# KiCad board CawDrive_panel.kicad_pcb (continued)
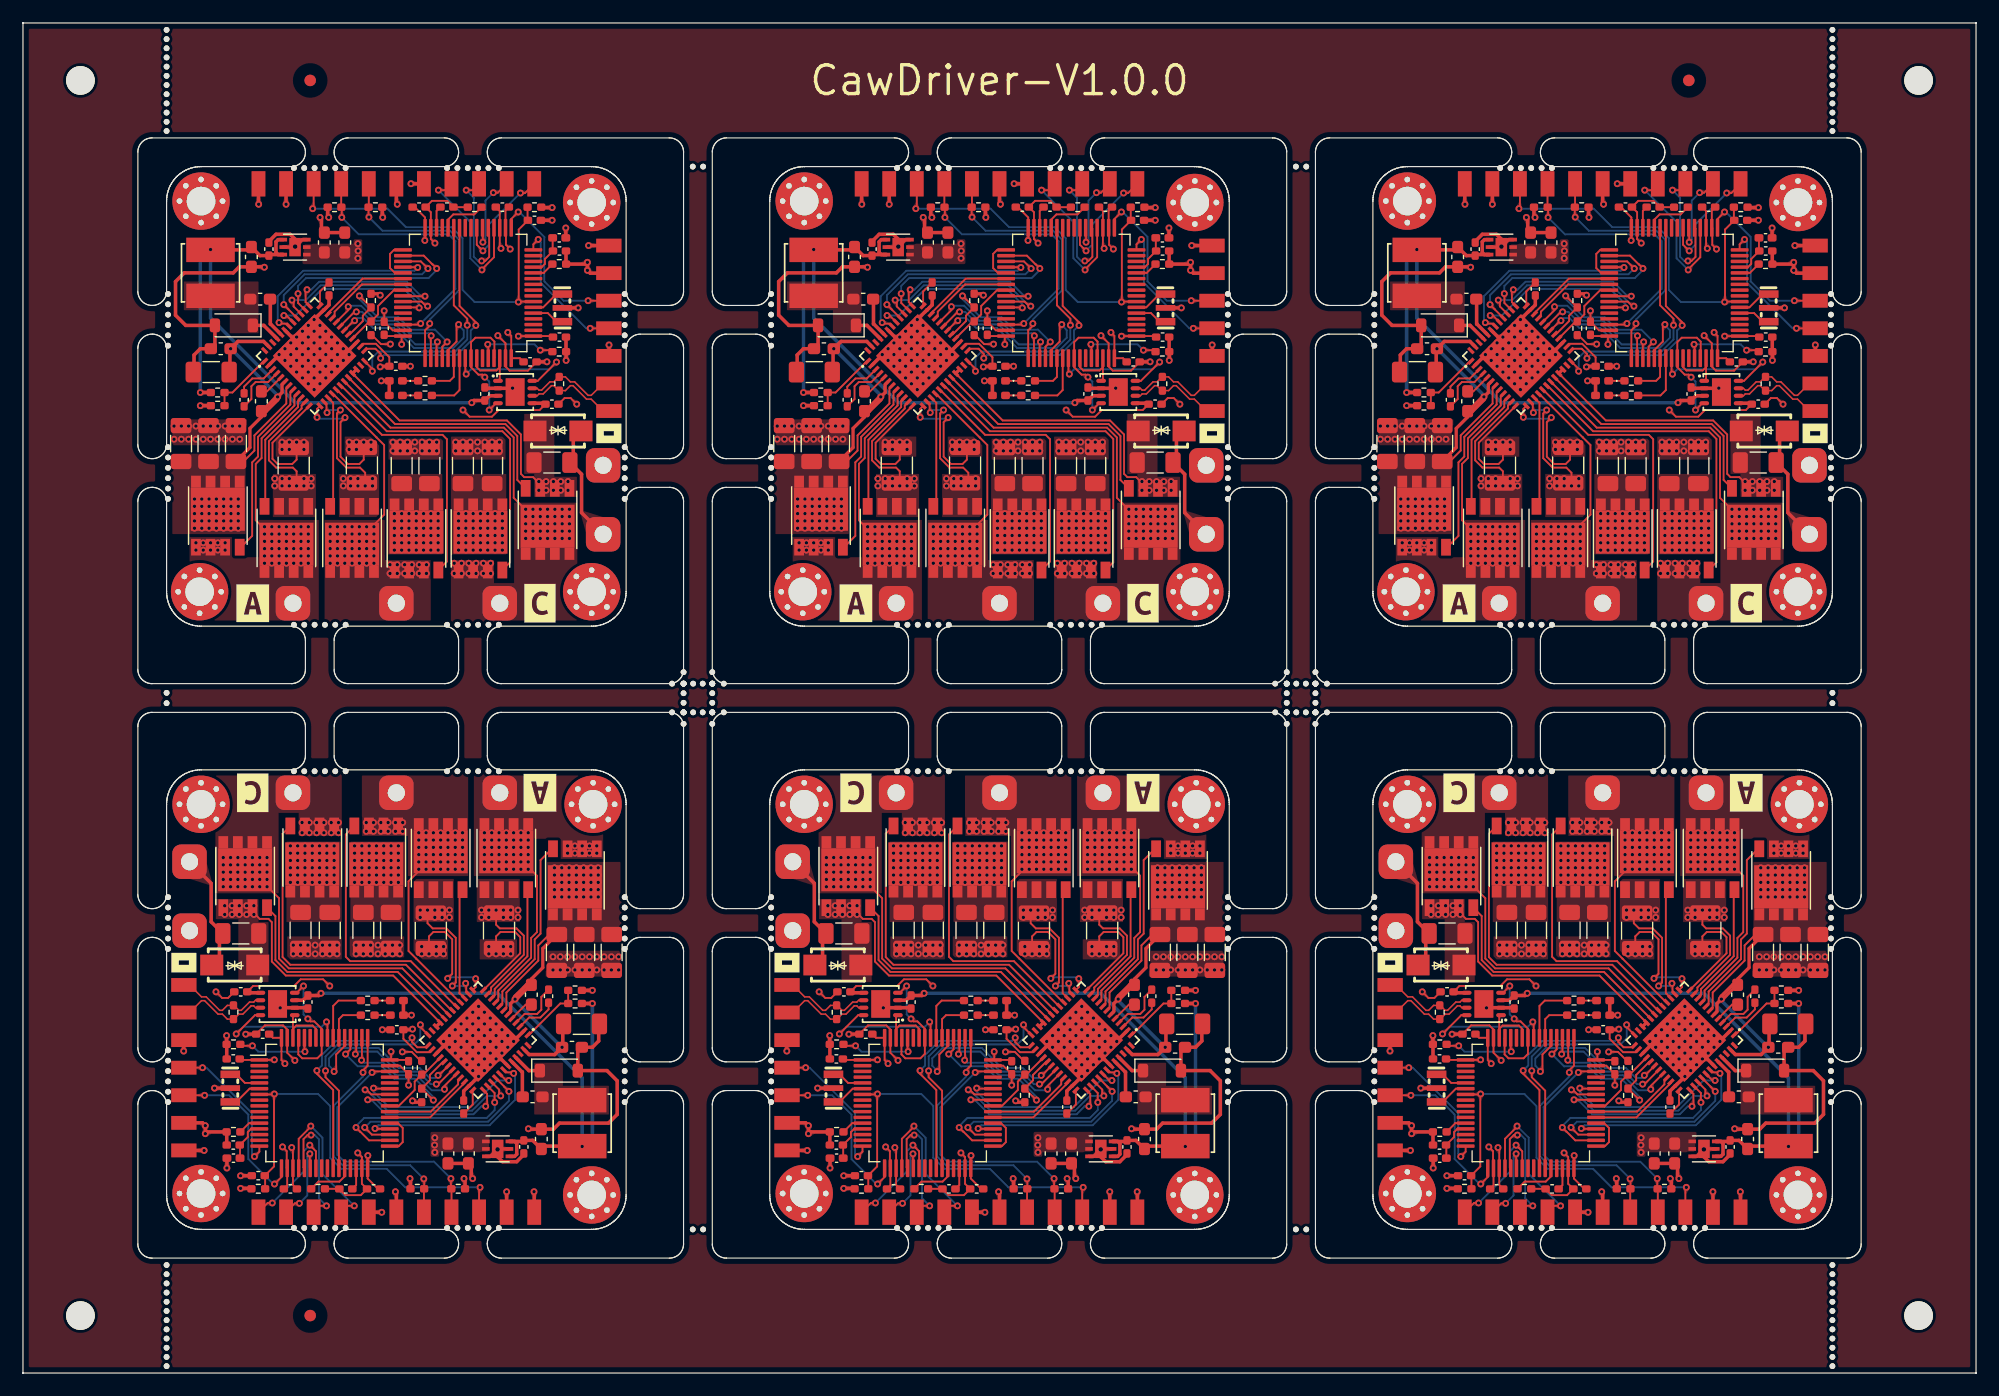
[diagram p0: board, top side]
## Routing (per net, layer and track width the routed paths; a pad name or vN(x,y) marks a point on that pad's centre or on a via; arc(x,y) is an arc through that point) (continued)
Board_5-/SPI1_MOSI: length 10.1
  Top w0.16: J1.11 126.3,14.8 v1(126.7,14.8) ; U1#5.23 130.5,19.3 130.19,19.61 130.18,19.61 v1(129.96,19.83)
  Bottom w0.16: v1(126.7,14.8) 129.44,17.54 129.44,19.3 v1(129.96,19.83)
Board_5-/SPI1_NSS: length 14
  Top w0.16: v1(130.05,21.49) 130.05,21.44 129,20.38 U1#5.20 ; v1(133.84,14.55) 133.25,14.55 J1.8
  Bottom w0.16: v1(133.84,14.55) 131.07,17.32 131.07,20.48 v1(130.05,21.49)
Board_5-/SPI1_SCK: length 11.6
  Top w0.16: v1(130.08,20.71) 129.77,20.71 129.42,20.36 129.42,17.91 U1#5.21 ; J1.9 130.85,14.55 v1(131.42,14.55)
  Bottom w0.16: v1(130.08,20.71) 130.4,20.71 130.76,20.35 130.76,15.21 v1(131.42,14.55)
Board_5-/SPI3_MISO: length 15.7
  Top w0.16: v1(133.08,27.76) 133.5,28.18 U1#5.52 ; U5#4.29 141.57,27.1 140.42,25.95 140.42,25.47 R16.2 140.71,23.75 v1(140.72,23.75)
  Bottom w0.16: v1(133.08,27.76) 134.14,26.69 136.24,26.69 137.32,25.61 139.14,25.61 140.72,24.03 v1(140.72,23.75)
Board_5-/SPI3_MOSI: length 16.9
  Top w0.16: v1(141.13,25.9) 141.19,25.9 U5#4.30 ; v1(132.08,26.24) 132.26,26.42 132.26,27.73 133,28.47 U1#5.53
  Bottom w0.16: v1(141.13,25.9) 140.91,25.69 140.39,25.69 139.52,26.55 137.71,26.55 135.97,28.29 132.55,28.29 131.64,27.38 131.64,26.75 132.08,26.31 v1(132.08,26.24)
Board_5-/SPI3_NSS: length 12.1
  Top w0.16: v1(134.47,27.22) 134.5,27.26 U1#5.50 ; U5#4.32 141.69,24.99 v1(141.69,24.69)
  Bottom w0.16: v1(141.69,24.69) 141.61,24.61 140.58,24.61 139.27,25.92 137.45,25.92 136.37,27 134.69,27 v1(134.47,27.22)
Board_5-/SPI3_SCK: length 11.7
  Top w0.16: U5#4.31 142.38,26.38 141.14,25.14 v1(140.98,25.14) ; U1#5.51 134,27.83 v1(133.93,27.76)
  Bottom w0.16: v1(140.98,25.14) 140.49,25.14 139.4,26.23 137.58,26.23 135.84,27.98 134.15,27.98 v1(133.93,27.76)
Board_5-/SWCLK: length 23.1
  Top w0.16: v1(134.6,26.16) 134.6,26.35 135,26.75 U1#5.49 ; v1(139.89,16.9) 139.92,16.87 R6#3.1 139.9,16.01 J1.5
  Bottom w0.16: v1(134.6,26.16) 134.6,25.81 132.05,23.27 132.05,18.86 132.83,18.08 138.71,18.08 v1(139.89,16.9)
Board_5-/SWDIO: length 23.7
  Top w0.16: v1(135.39,26.16) 135.48,26.25 U1#5.46 ; J1.4 142.3,16.02 R5#5.1 142.25,16.07 v1(142.25,16.92)
  Bottom w0.16: v1(135.39,26.16) 132.36,23.14 132.36,18.99 132.96,18.39 140.78,18.39 v1(142.25,16.92)
Board_5-/TIM1_BKIN: length 3.8
  Top w0.16: U1#5.33 137.71,19.75 138.05,20.1 138.05,21.33 137.63,21.75 U1#5.37
Board_5-/TIM1_PWM_CH1: length 14.6
  Top w0.16: U1#5.41 136.22,23.75 136.19,23.78 v1(135.01,23.78) ; v1(145.28,23.21) 145.4,23.34 145.4,24.3 U5#4.37
  Bottom w0.16: v1(135.01,23.78) 135.34,23.78 136.6,22.52 144.22,22.52 144.91,23.21 v1(145.28,23.21)
Board_5-/TIM1_PWM_CH1N: length 18.5
  Top w0.16: v1(146.06,23.56) 146.05,23.56 146.05,24.37 145.45,24.97 U5#4.38 ; U1#5.34 135.12,20.25 134.36,21.01 134.35,21.01 v1(133.99,21.37)
  Bottom w0.16: v1(146.06,23.56) 146.06,22.89 145.38,22.21 134.7,22.21 133.99,21.49 v1(133.99,21.37)
Board_5-/TIM1_PWM_CH2: length 16.9
  Top w0.16: U1#5.42 135.31,24.25 134.91,24.65 v1(134.78,24.65) ; v1(146.58,24.12) 146.44,24.27 146.44,24.67 U5#4.39
  Bottom w0.16: v1(134.78,24.65) 134.91,24.65 136.72,22.83 144.09,22.83 145.38,24.12 v1(146.58,24.12)
Board_5-/TIM1_PWM_CH2N: length 18.4
  Top w0.16: U5#4.40 146.89,24.93 146.89,24.92 v1(147.3,24.51) ; v1(134.75,21.37) 135.37,20.75 U1#5.35
  Bottom w0.16: v1(147.3,24.51) 147.3,23.69 145.49,21.88 135.26,21.88 134.76,21.37 v1(134.75,21.37)
Board_5-/TIM1_PWM_CH3: length 16.1
  Top w0.16: U1#5.43 135.56,24.75 v1(135.51,24.8) ; U5#4.41 147.07,25.46 v1(147.29,25.46)
  Bottom w0.16: v1(147.29,25.46) 146.27,25.46 143.96,23.14 136.85,23.14 135.51,24.48 v1(135.51,24.8)
Board_5-/TIM1_PWM_CH3N: length 17.9
  Top w0.16: v1(135.64,21.28) 135.85,21.28 135.88,21.25 U1#5.36 ; U5#4.42 147.06,26.17 147.62,26.17 v1(147.71,26.08)
  Bottom w0.16: v1(147.71,26.08) 147.84,25.96 147.84,23.78 145.62,21.56 135.92,21.56 v1(135.64,21.28)
Board_5-/USART2_RX: length 15
  Top w0.16: J4#6.3 120.81,24.17 v1(120.81,24.17) ; U1#5.17 127.5,17.06 v1(126.89,16.45)
  Bottom w0.16: v1(120.81,24.17) 122.94,24.17 124.62,22.49 124.62,18.62 126.79,16.45 v1(126.89,16.45)
Board_5-/USART2_TX: length 12.5
  Top w0.16: v1(120.63,26.57) J4#6.4 ; v1(125.15,18.84) 125.57,19.27 U1#5.16
  Bottom w0.16: v1(120.63,26.57) 120.98,26.57 124.93,22.62 124.93,19.06 v1(125.15,18.84)
Board_5-GND: length 125.8
  Top w0.16: U5#4.12 148.28,36.53 148.28,37.94 147.83,38.39 146.56,38.39 146.18,38 146.18,37.22 R18#2.2 ; v1(141.97,34.34) 142.36,34.74 142.36,37.75 141.72,38.39 140.72,38.39 140.34,38 140.34,37.11 R19#5.2 ; v1(121.8,33.18) 122.33,32.65 122.86,32.65 C9#6.1 ; v1(144.4,34.32) 144.4,33.58 U5#4.13 ; v1(125.1,40.67) 125.1,40.03 125.6,39.53 126.37,39.53 126.66,39.24 126.66,35.81 127.88,34.6 137.22,34.6 U5#4.21 ; v1(128.67,27.21) 128,27.88 U1#5.63 128,29.9 127.64,30.26 126.06,30.26 C6#2.2 ; v1(134.14,19.16) 134.5,18.8 U1#5.31 134.5,16.47 C4#4.2 134.4,15.48 133.08,15.48 C1#3.2 132.52,16.03 R3#6.2 ; v1(127.59,19.68) 127.96,19.31 127.96,17.87 U1#5.18 128,16.32 C3#2.2 ; U1#5.47 137.82,26.75 C5#4.2 v1(138.56,25.05)
  Top w0.279: U5#4.22 U5#4.21 ; C32#6.2 v1(136.28,29.88)
  Top w0.305: v1(118.99,28.02) 118.99,28.96 J4#6.5 ; v1(136.23,13.99) 136.22,14 J1.7 ; U5#4.43 146.6,27.34 v1(146.18,27.34) ; v1(123.94,17.17) 124.91,17.17 C14#5.2 ; v1(147.1,15.78) J1.2 ; U2#4.3 145.7,18.86 v2(146.31,19.46) ; v1(127.39,31.78) 127.4,31.8 U3.2 129.72,31.8 C12.1 ; C6#2.2 124.4,29.5 v1(124.39,29.49) ; R14#3.2 v1(154.56,33.31) ; v1(122.72,29.37) R1#6.1 122.73,28.6 C2#2.2 ; v1(141.61,28.86) 141.61,28.45 U5#4.27 ; U2#4.5 U2#4.7 146.32,18.82 146.74,18.39 147.97,18.39 148.59,19.01 C7#4.2 ; C35#2.2 C34#4.2 144.02,17.99 144.02,17.04 v1(144.14,16.92) ; v1(144.66,25.81) 143.82,24.97 U5#4.35 143.36,24.54 C31#6.2 ; v1(148.99,21.26) 149.03,21.22 C16#2.2 151.17,21.22 151.7,21.75 155.96,21.75 156.72,22.51 156.72,25.43 155.83,26.32 D3#3.2 153.29,28 C33#6.2 154.56,28.35 155.11,28.9 155.11,30.38 ; U5#4.49 v1(144.66,28.86) ; v1(147.71,28.86) 147.71,28.89 U5#4.2 ; C8#6.2 122.73,20.98 R2#3.2 121.03,20.99 v1(120.87,20.83) v1(120.87,21.53) 120.63,21.77 J4#6.2 ; R6#3.2 138.73,16.88 v1(138.69,16.92) ; v1(121.67,24.8) 123.19,24.8
  In2.Cu w0.813: 149.5,32.5 149.5,36
  Bottom w0.16: v1(144.4,34.32) 144.28,34.45 142.07,34.45 v1(141.97,34.34)
  vias: v1(122.56,40.67) v1(122.56,39.91) v1(123.19,40.67) v1(123.19,39.91) v1(123.83,40.67) v1(123.83,39.91) v1(124.47,40.67) v1(124.47,39.91) v1(125.1,39.91) v1(128.53,37.24) v1(128.53,36.48) v1(129.16,37.24) v1(129.16,36.48) v1(129.8,37.24) v1(129.8,36.48) v1(130.43,37.24) v1(130.43,36.48) v1(131.07,37.24) v1(131.07,36.48) v1(131.7,37.24) v1(131.7,36.48) v1(132.34,37.24) v1(132.34,36.48) v1(133.99,37.24) v1(133.99,36.48) v1(134.62,37.24) v1(134.62,36.48) v1(135.26,37.24) v1(135.26,36.48) v1(135.9,37.24) v1(135.9,36.48) v1(136.53,37.24) v1(136.53,36.48) v1(137.16,37.24) v1(137.16,36.48) v1(137.8,37.24) v1(137.8,36.48) v1(139.71,37.11) v1(139.71,36.48) v1(140.34,36.48) v1(140.97,37.11) v1(140.97,36.48) v1(141.61,37.11) v1(141.61,36.48) v1(142.12,29.37) v1(142.12,28.35) v1(142.63,29.88) v1(142.63,28.86) v1(142.63,27.84) v1(143.13,30.38) v1(143.13,29.37) v1(143.13,28.35) v1(143.13,27.34) v1(143.64,30.89) v1(143.64,29.88) v1(143.64,28.86) v1(143.64,27.84) v1(143.64,26.83) v1(144.15,31.4) v1(144.15,30.38) v1(144.15,29.37) v1(144.15,28.35) v1(144.15,27.34) v1(144.15,26.32) v1(144.66,31.91) v1(144.66,30.89) v1(144.66,29.88) v1(144.66,27.84) v1(144.66,26.83) v1(145.17,31.4) v1(145.17,30.38) v1(145.17,29.37) v1(145.17,28.35) v1(145.17,27.34) v1(145.17,26.32) v1(145.55,37.11) v1(145.55,36.48) v1(145.67,30.89) v1(145.67,29.88) v1(145.67,28.86) v1(145.67,27.84) v1(145.67,26.83) v1(146.18,36.48) v1(146.18,30.38) v1(146.18,29.37) v1(146.18,28.35) v1(146.69,29.88) v1(146.69,28.86) v1(146.69,27.84) v1(146.82,37.11) v1(146.82,36.48) v1(147.2,29.37) v1(147.2,28.35) v1(147.45,37.11) v1(147.45,36.48) v1(151.13,36.23) v1(151.13,35.08) v1(151.77,36.23) v1(151.77,35.08) v1(152.41,36.23) v1(152.41,35.08) v1(153.04,36.23) v1(153.04,35.08) v1(153.68,36.23) v1(153.68,35.08) v1(154.31,36.23) v1(154.31,35.08) v1(154.94,36.23) v1(154.94,35.08) v1(155.58,36.23) v1(155.58,35.08) v1(156.22,36.23) v1(156.22,35.08) v1(156.85,36.23) v1(156.85,35.08)
Board_5-Net-(D1-K): length 1.4
  Top w0.16: D1#6.1 R9#4.1
Board_5-Net-(D2-K): length 1.4
  Top w0.16: D2#6.1 R11#4.1
Board_5-Net-(U1-BOOT0): length 7.1
  Top w0.16: v1(129.54,27.97) 129.5,28.02 U1#5.60 ; v1(124.97,28.48) 124.05,28.48 R1#6.2
  Bottom w0.16: v1(129.54,27.97) 125.48,27.97 v1(124.97,28.48)
Board_5-Net-(U1-PB2): length 4.1
  Top w0.16: U1#5.28 133,17.12 132.54,16.66 130.72,16.66 R3#6.1
Board_5-Net-(U1-VCAP_1): length 1.9
  Top w0.16: U1#5.30 134,16.35 C1#3.1
Board_5-Net-(U1-VSSA): length 2
  Top w0.16: R2#3.1 124.68,21.75 U1#5.12
Board_5-Net-(U5-CPH): length 4.7
  Top w0.16: U5#4.4 148.65,31.25 149.75,31.25 150.12,31.62 150.12,32.73 C27#6.2
Board_5-Net-(U5-CPL): length 3.7
  Top w0.16: C27#6.1 150.75,31.65 150.04,30.94 149.05,30.94 U5#4.3
Board_5-Net-(U5-DVDD): length 2.4
  Top w0.16: C31#6.1 144.15,23.37 U5#4.36
Board_5-Net-(U5-VCP): length 2.2
  Top w0.16: C28#3.2 148.76,32.06 U5#4.5

## Copper pours and planes (outline as drawn; the poured copper is in the pictures)
(no net) on Top: 0,117.48 0,0.02 0.02,0 169.98,0 170,0.02 170,117.48 169.98,117.5 0.02,117.5 ; 6 cut-outs
(no net) on Bottom: 0,117.48 0,0.02 0.02,0 169.98,0 170,0.02 170,117.48 169.98,117.5 0.02,117.5 ; 6 cut-outs
Board_0-+3.3V on Top: 24.33,98.29 28.77,98.29 28.77,98.67 29.53,98.67 29.53,96.51 24.33,96.51
Board_0-+3.3V on In1.Cu: 12.5,105 52.5,105 52.5,83.5 51,83.5 51,87.5 43.5,87.5 43.5,83.5 12.5,83.5
Board_0-+36V on Top: 31.75,78.25 36.5,78.25 36.5,71.25 31.75,71.25
Board_0-+36V on Top: 12.75,80.01 19.38,80.01 19.38,73.02 12.75,73.02
Board_0-+36V on Top: 37.25,78.25 42.25,78.25 42.25,71.25 37.25,71.25
Board_0-+36V on Bottom: 12.5,78.5 21,78.5 21,75.75 52.5,75.75 52.5,65 12.5,65
Board_0-+36V on In2.Cu: 52.5,75.5 52.5,65 12.5,65 12.5,80 19.5,80 21,75.5
Board_0-/DRV8323RSRGZR/PHASA on Top: 14.5,72.75 18.25,72.75 18.25,71 20.5,71 20.5,74.25 25.75,74.25 25.75,65 14.5,65
Board_0-/DRV8323RSRGZR/PHASA on In1.Cu: 14.5,72.75 20.5,72.75 20.5,74.25 25.75,74.25 25.75,65 14.5,65
Board_0-/DRV8323RSRGZR/PHASB on Top: 26.25,74.25 26.25,65 35.5,65 35.5,70.75 31.5,70.75 31.5,74.25
Board_0-/DRV8323RSRGZR/PHASB on In1.Cu: 26.25,74.25 26.25,65 35.5,65 35.5,70.75 31.5,70.75 31.5,74.25
Board_0-/DRV8323RSRGZR/PHASC on Top: 37.25,70.75 41,70.75 41,68.75 42.75,68.75 42.75,75.75 48.25,75.75 48.25,65 37.25,65
Board_0-/DRV8323RSRGZR/PHASC on In1.Cu: 37.25,70.75 37.25,65 48.25,65 48.25,75.75 42.75,75.75 42.75,68.75 41,68.75 41,70.75
Board_0-/DRV8323RSRGZR/SPA on Top: 21.75,78.25 25.5,78.25 25.5,74.5 21.75,74.5
Board_0-/DRV8323RSRGZR/SPA on Bottom: 21.5,78.5 26,78.5 26,76.25 21.5,76.25
Board_0-/DRV8323RSRGZR/SPB on Top: 27.5,78.25 31,78.25 31,74.5 27.5,74.5
Board_0-/DRV8323RSRGZR/SPB on Bottom: 27,78.5 27,76.25 31.25,76.25 31.25,78.5
Board_0-/DRV8323RSRGZR/SW on Top: 14,95 20.5,95 20.5,90.5 18,90.5 18,92.5 14,92.5
Board_0-GND on Top: 31.82,81.5 36.57,81.5 36.57,79.5 31.82,79.5
Board_0-GND on Top: 28,81.5 31,81.5 31,79.75 28,79.75
Board_0-GND on Top: 22,81.5 25.25,81.5 25.25,79.75 22,79.75
Board_0-GND on Top: 37.25,81.5 42,81.5 42,79.5 37.25,79.5
Board_0-GND on Top: 43.63,78.25 44.5,78.25 44.5,76.25 48.25,76.25 48.25,78 46.25,78 46.25,83.5 43.63,83.5
Board_0-GND on Top: 12.5,83 19.5,83 19.5,80.75 12.5,80.75
Board_0-GND on Bottom: 12.5,82.75 52.5,82.75 52.5,76 32,76 32,79 12.5,79
Board_0-GND on Bottom: 20.77,88.64 25.34,84.07 29.91,88.64 25.34,93.21
Board_0-GND on In1.Cu: 43.75,83.5 43.75,87.25 50.75,87.25 50.75,83.5
Board_0-GND on In1.Cu: 12.5,82.75 52.5,82.75 52.5,76 12.5,76
Board_0-GND on In2.Cu: 12.5,105 52.5,105 52.5,83.5 29,83.5 29,84.5 24.5,84.5 24.5,83.5 12.5,83.5
Board_0-GND on In2.Cu: 12.5,82.75 52.5,82.75 52.5,76 21.5,76 20,80.5 12.5,80.5
Board_1-+3.3V on Top: 76.83,98.29 81.27,98.29 81.27,98.67 82.03,98.67 82.03,96.51 76.83,96.51
Board_1-+3.3V on In1.Cu: 65,105 105,105 105,83.5 103.5,83.5 103.5,87.5 96,87.5 96,83.5 65,83.5
Board_1-+36V on Top: 84.25,78.25 89,78.25 89,71.25 84.25,71.25
Board_1-+36V on Top: 65.25,80.01 71.88,80.01 71.88,73.02 65.25,73.02
Board_1-+36V on Top: 89.75,78.25 94.75,78.25 94.75,71.25 89.75,71.25
Board_1-+36V on Bottom: 65,78.5 73.5,78.5 73.5,75.75 105,75.75 105,65 65,65
Board_1-+36V on In2.Cu: 105,75.5 105,65 65,65 65,80 72,80 73.5,75.5
Board_1-/DRV8323RSRGZR/PHASA on Top: 67,72.75 70.75,72.75 70.75,71 73,71 73,74.25 78.25,74.25 78.25,65 67,65
Board_1-/DRV8323RSRGZR/PHASA on In1.Cu: 67,72.75 73,72.75 73,74.25 78.25,74.25 78.25,65 67,65
Board_1-/DRV8323RSRGZR/PHASB on Top: 78.75,74.25 78.75,65 88,65 88,70.75 84,70.75 84,74.25
Board_1-/DRV8323RSRGZR/PHASB on In1.Cu: 78.75,74.25 78.75,65 88,65 88,70.75 84,70.75 84,74.25
Board_1-/DRV8323RSRGZR/PHASC on Top: 89.75,70.75 93.5,70.75 93.5,68.75 95.25,68.75 95.25,75.75 100.75,75.75 100.75,65 89.75,65
Board_1-/DRV8323RSRGZR/PHASC on In1.Cu: 89.75,70.75 89.75,65 100.75,65 100.75,75.75 95.25,75.75 95.25,68.75 93.5,68.75 93.5,70.75
Board_1-/DRV8323RSRGZR/SPA on Top: 74.25,78.25 78,78.25 78,74.5 74.25,74.5
Board_1-/DRV8323RSRGZR/SPA on Bottom: 74,78.5 78.5,78.5 78.5,76.25 74,76.25
Board_1-/DRV8323RSRGZR/SPB on Top: 80,78.25 83.5,78.25 83.5,74.5 80,74.5
Board_1-/DRV8323RSRGZR/SPB on Bottom: 79.5,78.5 79.5,76.25 83.75,76.25 83.75,78.5
Board_1-/DRV8323RSRGZR/SW on Top: 66.5,95 73,95 73,90.5 70.5,90.5 70.5,92.5 66.5,92.5
Board_1-GND on Top: 65,83 72,83 72,80.75 65,80.75
Board_1-GND on Top: 80.5,81.5 83.5,81.5 83.5,79.75 80.5,79.75
Board_1-GND on Top: 96.13,78.25 97,78.25 97,76.25 100.75,76.25 100.75,78 98.75,78 98.75,83.5 96.13,83.5
Board_1-GND on Top: 84.32,81.5 89.07,81.5 89.07,79.5 84.32,79.5
Board_1-GND on Top: 74.5,81.5 77.75,81.5 77.75,79.75 74.5,79.75
Board_1-GND on Top: 89.75,81.5 94.5,81.5 94.5,79.5 89.75,79.5
Board_1-GND on Bottom: 65,82.75 105,82.75 105,76 84.5,76 84.5,79 65,79
Board_1-GND on Bottom: 73.27,88.64 77.84,84.07 82.41,88.64 77.84,93.21
Board_1-GND on In1.Cu: 96.25,83.5 96.25,87.25 103.25,87.25 103.25,83.5
Board_1-GND on In1.Cu: 65,82.75 105,82.75 105,76 65,76
Board_1-GND on In2.Cu: 65,82.75 105,82.75 105,76 74,76 72.5,80.5 65,80.5
Board_1-GND on In2.Cu: 65,105 105,105 105,83.5 81.5,83.5 81.5,84.5 77,84.5 77,83.5 65,83.5
Board_2-+3.3V on Top: 129.33,98.29 133.77,98.29 133.77,98.67 134.53,98.67 134.53,96.51 129.33,96.51
Board_2-+3.3V on In1.Cu: 117.5,105 157.5,105 157.5,83.5 156,83.5 156,87.5 148.5,87.5 148.5,83.5 117.5,83.5
Board_2-+36V on Top: 136.75,78.25 141.5,78.25 141.5,71.25 136.75,71.25
Board_2-+36V on Top: 142.25,78.25 147.25,78.25 147.25,71.25 142.25,71.25
Board_2-+36V on Top: 117.75,80.01 124.38,80.01 124.38,73.02 117.75,73.02
Board_2-+36V on Bottom: 117.5,78.5 126,78.5 126,75.75 157.5,75.75 157.5,65 117.5,65
Board_2-+36V on In2.Cu: 157.5,75.5 157.5,65 117.5,65 117.5,80 124.5,80 126,75.5
Board_2-/DRV8323RSRGZR/PHASA on Top: 119.5,72.75 123.25,72.75 123.25,71 125.5,71 125.5,74.25 130.75,74.25 130.75,65 119.5,65
Board_2-/DRV8323RSRGZR/PHASA on In1.Cu: 119.5,72.75 125.5,72.75 125.5,74.25 130.75,74.25 130.75,65 119.5,65
Board_2-/DRV8323RSRGZR/PHASB on Top: 131.25,74.25 131.25,65 140.5,65 140.5,70.75 136.5,70.75 136.5,74.25
Board_2-/DRV8323RSRGZR/PHASB on In1.Cu: 131.25,74.25 131.25,65 140.5,65 140.5,70.75 136.5,70.75 136.5,74.25
Board_2-/DRV8323RSRGZR/PHASC on Top: 142.25,70.75 146,70.75 146,68.75 147.75,68.75 147.75,75.75 153.25,75.75 153.25,65 142.25,65
Board_2-/DRV8323RSRGZR/PHASC on In1.Cu: 142.25,70.75 142.25,65 153.25,65 153.25,75.75 147.75,75.75 147.75,68.75 146,68.75 146,70.75
Board_2-/DRV8323RSRGZR/SPA on Top: 126.75,78.25 130.5,78.25 130.5,74.5 126.75,74.5
Board_2-/DRV8323RSRGZR/SPA on Bottom: 126.5,78.5 131,78.5 131,76.25 126.5,76.25
Board_2-/DRV8323RSRGZR/SPB on Top: 132.5,78.25 136,78.25 136,74.5 132.5,74.5
Board_2-/DRV8323RSRGZR/SPB on Bottom: 132,78.5 132,76.25 136.25,76.25 136.25,78.5
Board_2-/DRV8323RSRGZR/SW on Top: 119,95 125.5,95 125.5,90.5 123,90.5 123,92.5 119,92.5
Board_2-GND on Top: 133,81.5 136,81.5 136,79.75 133,79.75
Board_2-GND on Top: 127,81.5 130.25,81.5 130.25,79.75 127,79.75
Board_2-GND on Top: 117.5,83 124.5,83 124.5,80.75 117.5,80.75
Board_2-GND on Top: 142.25,81.5 147,81.5 147,79.5 142.25,79.5
Board_2-GND on Top: 148.63,78.25 149.5,78.25 149.5,76.25 153.25,76.25 153.25,78 151.25,78 151.25,83.5 148.63,83.5
Board_2-GND on Top: 136.82,81.5 141.57,81.5 141.57,79.5 136.82,79.5
Board_2-GND on Bottom: 117.5,82.75 157.5,82.75 157.5,76 137,76 137,79 117.5,79
Board_2-GND on Bottom: 125.77,88.64 130.34,84.07 134.91,88.64 130.34,93.21
Board_2-GND on In1.Cu: 117.5,82.75 157.5,82.75 157.5,76 117.5,76
Board_2-GND on In1.Cu: 148.75,83.5 148.75,87.25 155.75,87.25 155.75,83.5
Board_2-GND on In2.Cu: 117.5,82.75 157.5,82.75 157.5,76 126.5,76 125,80.5 117.5,80.5
Board_2-GND on In2.Cu: 117.5,105 157.5,105 157.5,83.5 134,83.5 134,84.5 129.5,84.5 129.5,83.5 117.5,83.5
Board_3-+3.3V on Top: 40.67,19.21 36.23,19.21 36.23,18.83 35.47,18.83 35.47,20.99 40.67,20.99
Board_3-+3.3V on In1.Cu: 52.5,12.5 12.5,12.5 12.5,34 14,34 14,30 21.5,30 21.5,34 52.5,34
Board_3-+36V on Top: 27.75,39.25 22.75,39.25 22.75,46.25 27.75,46.25
Board_3-+36V on Top: 52.25,37.49 45.62,37.49 45.62,44.48 52.25,44.48
Board_3-+36V on Top: 33.25,39.25 28.5,39.25 28.5,46.25 33.25,46.25
Board_3-+36V on Bottom: 52.5,39 44,39 44,41.75 12.5,41.75 12.5,52.5 52.5,52.5
Board_3-+36V on In2.Cu: 12.5,42 12.5,52.5 52.5,52.5 52.5,37.5 45.5,37.5 44,42
Board_3-/DRV8323RSRGZR/PHASA on Top: 50.5,44.75 46.75,44.75 46.75,46.5 44.5,46.5 44.5,43.25 39.25,43.25 39.25,52.5 50.5,52.5
Board_3-/DRV8323RSRGZR/PHASA on In1.Cu: 50.5,44.75 44.5,44.75 44.5,43.25 39.25,43.25 39.25,52.5 50.5,52.5
Board_3-/DRV8323RSRGZR/PHASB on Top: 38.75,43.25 38.75,52.5 29.5,52.5 29.5,46.75 33.5,46.75 33.5,43.25
Board_3-/DRV8323RSRGZR/PHASB on In1.Cu: 38.75,43.25 38.75,52.5 29.5,52.5 29.5,46.75 33.5,46.75 33.5,43.25
Board_3-/DRV8323RSRGZR/PHASC on Top: 27.75,46.75 24,46.75 24,48.75 22.25,48.75 22.25,41.75 16.75,41.75 16.75,52.5 27.75,52.5
Board_3-/DRV8323RSRGZR/PHASC on In1.Cu: 27.75,46.75 27.75,52.5 16.75,52.5 16.75,41.75 22.25,41.75 22.25,48.75 24,48.75 24,46.75
Board_3-/DRV8323RSRGZR/SPA on Top: 43.25,39.25 39.5,39.25 39.5,43 43.25,43
Board_3-/DRV8323RSRGZR/SPA on Bottom: 43.5,39 39,39 39,41.25 43.5,41.25
Board_3-/DRV8323RSRGZR/SPB on Top: 37.5,39.25 34,39.25 34,43 37.5,43
Board_3-/DRV8323RSRGZR/SPB on Bottom: 38,39 38,41.25 33.75,41.25 33.75,39
Board_3-/DRV8323RSRGZR/SW on Top: 51,22.5 44.5,22.5 44.5,27 47,27 47,25 51,25
Board_3-GND on Top: 21.37,39.25 20.5,39.25 20.5,41.25 16.75,41.25 16.75,39.5 18.75,39.5 18.75,34 21.37,34
Board_3-GND on Top: 43,36 39.75,36 39.75,37.75 43,37.75
Board_3-GND on Top: 27.75,36 23,36 23,38 27.75,38
Board_3-GND on Top: 33.18,36 28.43,36 28.43,38 33.18,38
Board_3-GND on Top: 52.5,34.5 45.5,34.5 45.5,36.75 52.5,36.75
Board_3-GND on Top: 37,36 34,36 34,37.75 37,37.75
Board_3-GND on Bottom: 44.23,28.86 39.66,33.43 35.09,28.86 39.66,24.29
Board_3-GND on Bottom: 52.5,34.75 12.5,34.75 12.5,41.5 33,41.5 33,38.5 52.5,38.5
Board_3-GND on In1.Cu: 21.25,34 21.25,30.25 14.25,30.25 14.25,34
Board_3-GND on In1.Cu: 52.5,34.75 12.5,34.75 12.5,41.5 52.5,41.5
Board_3-GND on In2.Cu: 52.5,34.75 12.5,34.75 12.5,41.5 43.5,41.5 45,37 52.5,37
Board_3-GND on In2.Cu: 52.5,12.5 12.5,12.5 12.5,34 36,34 36,33 40.5,33 40.5,34 52.5,34
Board_4-+3.3V on Top: 93.17,19.21 88.73,19.21 88.73,18.83 87.97,18.83 87.97,20.99 93.17,20.99
Board_4-+3.3V on In1.Cu: 105,12.5 65,12.5 65,34 66.5,34 66.5,30 74,30 74,34 105,34
Board_4-+36V on Top: 80.25,39.25 75.25,39.25 75.25,46.25 80.25,46.25
Board_4-+36V on Top: 85.75,39.25 81,39.25 81,46.25 85.75,46.25
Board_4-+36V on Top: 104.75,37.49 98.12,37.49 98.12,44.48 104.75,44.48
Board_4-+36V on Bottom: 105,39 96.5,39 96.5,41.75 65,41.75 65,52.5 105,52.5
Board_4-+36V on In2.Cu: 65,42 65,52.5 105,52.5 105,37.5 98,37.5 96.5,42
Board_4-/DRV8323RSRGZR/PHASA on Top: 103,44.75 99.25,44.75 99.25,46.5 97,46.5 97,43.25 91.75,43.25 91.75,52.5 103,52.5
Board_4-/DRV8323RSRGZR/PHASA on In1.Cu: 103,44.75 97,44.75 97,43.25 91.75,43.25 91.75,52.5 103,52.5
Board_4-/DRV8323RSRGZR/PHASB on Top: 91.25,43.25 91.25,52.5 82,52.5 82,46.75 86,46.75 86,43.25
Board_4-/DRV8323RSRGZR/PHASB on In1.Cu: 91.25,43.25 91.25,52.5 82,52.5 82,46.75 86,46.75 86,43.25
Board_4-/DRV8323RSRGZR/PHASC on Top: 80.25,46.75 76.5,46.75 76.5,48.75 74.75,48.75 74.75,41.75 69.25,41.75 69.25,52.5 80.25,52.5
Board_4-/DRV8323RSRGZR/PHASC on In1.Cu: 80.25,46.75 80.25,52.5 69.25,52.5 69.25,41.75 74.75,41.75 74.75,48.75 76.5,48.75 76.5,46.75
Board_4-/DRV8323RSRGZR/SPA on Top: 95.75,39.25 92,39.25 92,43 95.75,43
Board_4-/DRV8323RSRGZR/SPA on Bottom: 96,39 91.5,39 91.5,41.25 96,41.25
Board_4-/DRV8323RSRGZR/SPB on Top: 90,39.25 86.5,39.25 86.5,43 90,43
Board_4-/DRV8323RSRGZR/SPB on Bottom: 90.5,39 90.5,41.25 86.25,41.25 86.25,39
Board_4-/DRV8323RSRGZR/SW on Top: 103.5,22.5 97,22.5 97,27 99.5,27 99.5,25 103.5,25
Board_4-GND on Top: 85.68,36 80.93,36 80.93,38 85.68,38
Board_4-GND on Top: 89.5,36 86.5,36 86.5,37.75 89.5,37.75
Board_4-GND on Top: 73.87,39.25 73,39.25 73,41.25 69.25,41.25 69.25,39.5 71.25,39.5 71.25,34 73.87,34
Board_4-GND on Top: 80.25,36 75.5,36 75.5,38 80.25,38
Board_4-GND on Top: 105,34.5 98,34.5 98,36.75 105,36.75
Board_4-GND on Top: 95.5,36 92.25,36 92.25,37.75 95.5,37.75
Board_4-GND on Bottom: 96.73,28.86 92.16,33.43 87.59,28.86 92.16,24.29
Board_4-GND on Bottom: 105,34.75 65,34.75 65,41.5 85.5,41.5 85.5,38.5 105,38.5
Board_4-GND on In1.Cu: 105,34.75 65,34.75 65,41.5 105,41.5
Board_4-GND on In1.Cu: 73.75,34 73.75,30.25 66.75,30.25 66.75,34
Board_4-GND on In2.Cu: 105,34.75 65,34.75 65,41.5 96,41.5 97.5,37 105,37
Board_4-GND on In2.Cu: 105,12.5 65,12.5 65,34 88.5,34 88.5,33 93,33 93,34 105,34
Board_5-+3.3V on Top: 145.67,19.21 141.23,19.21 141.23,18.83 140.47,18.83 140.47,20.99 145.67,20.99
Board_5-+3.3V on In1.Cu: 157.5,12.5 117.5,12.5 117.5,34 119,34 119,30 126.5,30 126.5,34 157.5,34
Board_5-+36V on Top: 132.75,39.25 127.75,39.25 127.75,46.25 132.75,46.25
Board_5-+36V on Top: 157.25,37.49 150.62,37.49 150.62,44.48 157.25,44.48
Board_5-+36V on Top: 138.25,39.25 133.5,39.25 133.5,46.25 138.25,46.25
Board_5-+36V on Bottom: 157.5,39 149,39 149,41.75 117.5,41.75 117.5,52.5 157.5,52.5
Board_5-+36V on In2.Cu: 117.5,42 117.5,52.5 157.5,52.5 157.5,37.5 150.5,37.5 149,42
Board_5-/DRV8323RSRGZR/PHASA on Top: 155.5,44.75 151.75,44.75 151.75,46.5 149.5,46.5 149.5,43.25 144.25,43.25 144.25,52.5 155.5,52.5
Board_5-/DRV8323RSRGZR/PHASA on In1.Cu: 155.5,44.75 149.5,44.75 149.5,43.25 144.25,43.25 144.25,52.5 155.5,52.5
Board_5-/DRV8323RSRGZR/PHASB on Top: 143.75,43.25 143.75,52.5 134.5,52.5 134.5,46.75 138.5,46.75 138.5,43.25
Board_5-/DRV8323RSRGZR/PHASB on In1.Cu: 143.75,43.25 143.75,52.5 134.5,52.5 134.5,46.75 138.5,46.75 138.5,43.25
Board_5-/DRV8323RSRGZR/PHASC on Top: 132.75,46.75 129,46.75 129,48.75 127.25,48.75 127.25,41.75 121.75,41.75 121.75,52.5 132.75,52.5
Board_5-/DRV8323RSRGZR/PHASC on In1.Cu: 132.75,46.75 132.75,52.5 121.75,52.5 121.75,41.75 127.25,41.75 127.25,48.75 129,48.75 129,46.75
Board_5-/DRV8323RSRGZR/SPA on Top: 148.25,39.25 144.5,39.25 144.5,43 148.25,43
Board_5-/DRV8323RSRGZR/SPA on Bottom: 148.5,39 144,39 144,41.25 148.5,41.25
Board_5-/DRV8323RSRGZR/SPB on Top: 142.5,39.25 139,39.25 139,43 142.5,43
Board_5-/DRV8323RSRGZR/SPB on Bottom: 143,39 143,41.25 138.75,41.25 138.75,39
Board_5-/DRV8323RSRGZR/SW on Top: 156,22.5 149.5,22.5 149.5,27 152,27 152,25 156,25
Board_5-GND on Top: 138.18,36 133.43,36 133.43,38 138.18,38
Board_5-GND on Top: 148,36 144.75,36 144.75,37.75 148,37.75
Board_5-GND on Top: 132.75,36 128,36 128,38 132.75,38
Board_5-GND on Top: 157.5,34.5 150.5,34.5 150.5,36.75 157.5,36.75
Board_5-GND on Top: 126.37,39.25 125.5,39.25 125.5,41.25 121.75,41.25 121.75,39.5 123.75,39.5 123.75,34 126.37,34
Board_5-GND on Top: 142,36 139,36 139,37.75 142,37.75
Board_5-GND on Bottom: 157.5,34.75 117.5,34.75 117.5,41.5 138,41.5 138,38.5 157.5,38.5
Board_5-GND on Bottom: 149.23,28.86 144.66,33.43 140.09,28.86 144.66,24.29
Board_5-GND on In1.Cu: 126.25,34 126.25,30.25 119.25,30.25 119.25,34
Board_5-GND on In1.Cu: 157.5,34.75 117.5,34.75 117.5,41.5 157.5,41.5
Board_5-GND on In2.Cu: 157.5,34.75 117.5,34.75 117.5,41.5 148.5,41.5 150,37 157.5,37
Board_5-GND on In2.Cu: 157.5,12.5 117.5,12.5 117.5,34 141,34 141,33 145.5,33 145.5,34 157.5,34

Small or netless copper shapes (teardrops, artwork), in the pictures only: 642 on Top, 348 on Bottom

## Text on the board
F.Silkscreen: CawDriver-V1.0.0
